# Altium PCB BW2098POE.PcbDoc (part 4 of 4)
Units mm, origin at the board's own origin, x right, y up, seen from the top; angles counter-clockwise.
Board outline 80 x 60 mm, 4 copper layers (Top Layer, Layer 2, Layer 3, Bottom Layer), stack 1.578 mm thick; 233 components, 209 nets, 925 pads, 561 vias.
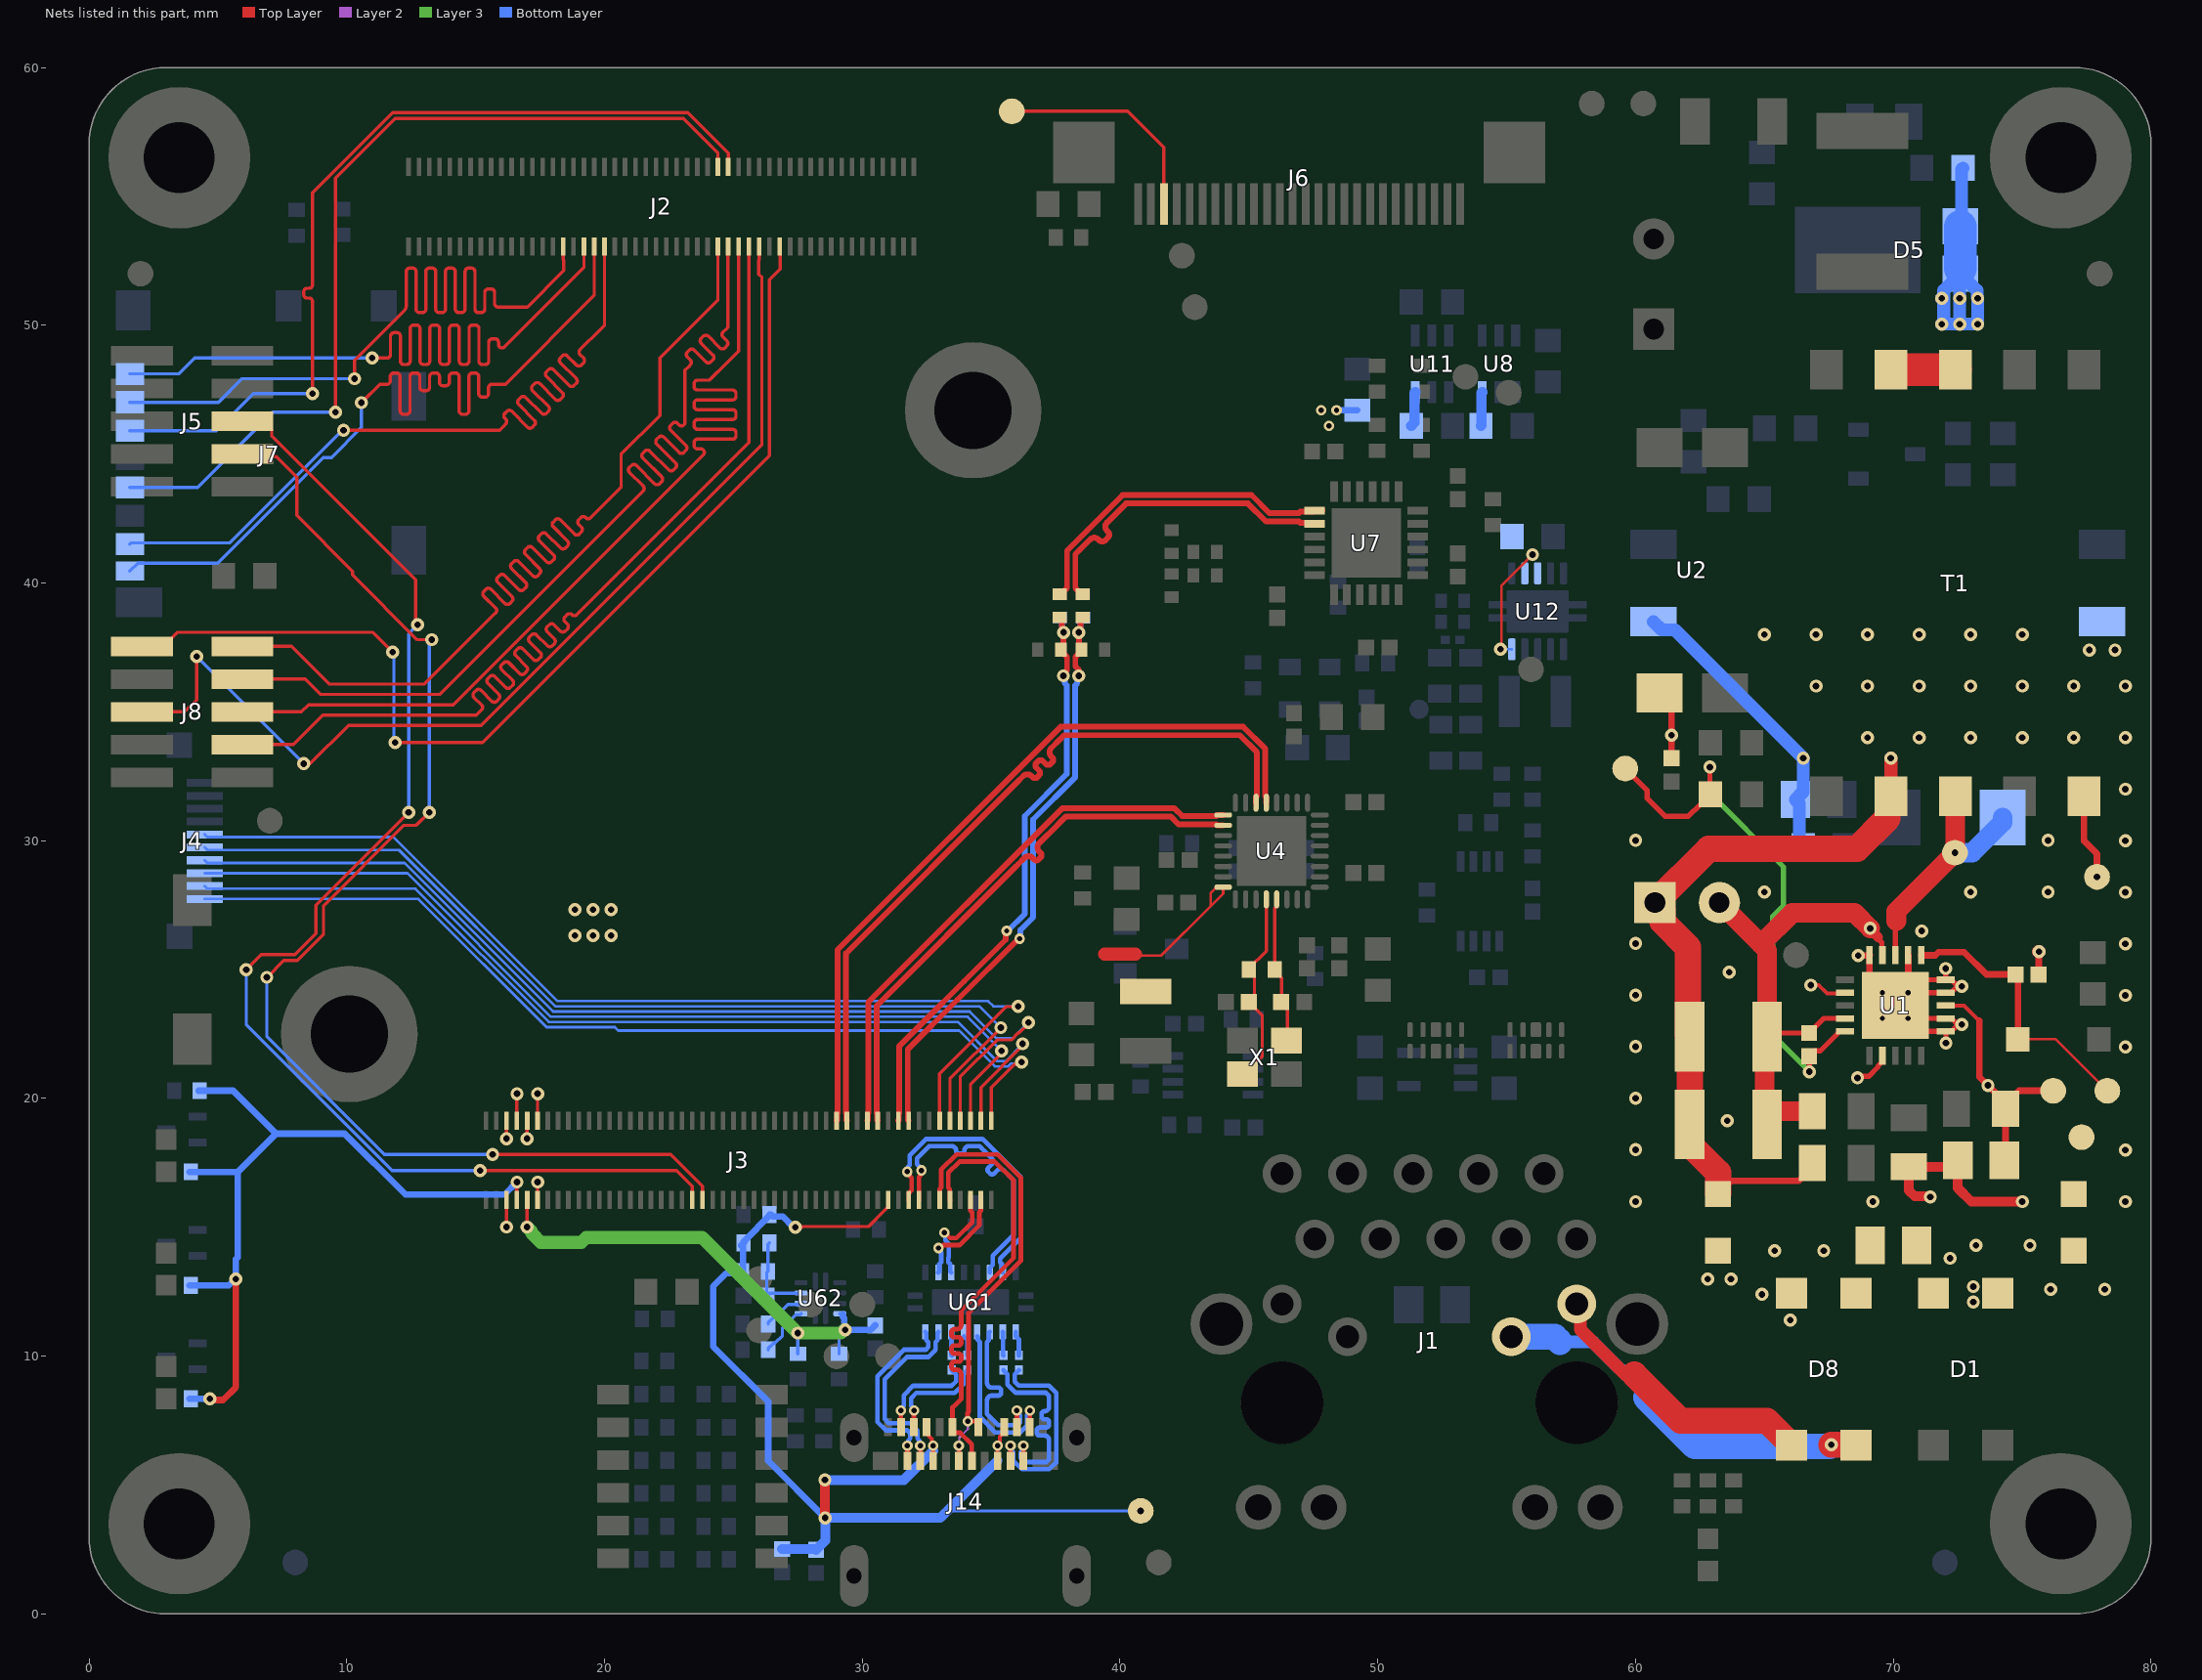
[diagram p6: the nets of this part, all layers, seen from the top]

## Via types
v1: diameter 0.508, hole 0.254, Top Layer to Bottom Layer, tented both sides, 416 vias
v2: diameter 0.406, hole 0.203, Top Layer to Bottom Layer, tented both sides, 145 vias

## Nets (pads, with @x,y where several pads share a name; then routed paths per layer and width w, separated by ;. In a path a pad name is that pad's centre, name@x,y a point inside that pad or via, vN(x,y) a via of type N, cw(c..) or ccw(c..) an arc to the next point about the centre after c; other vN are vias at no path point) (continued)
REGOUT: L2.1 U4.24 | length 7
  Top Layer w0.102: 40.605,25.6 40.657,25.548 41.602,25.548 43.512,27.457 ; 43.512,27.457 43.512,27.962 43.734,28.184 43.787,28.184 43.803,28.2 U4.24@44,28.2 44,27.945 43.512,27.457
  Top Layer w0.508: 39.4,25.6 40.605,25.6
RXB_N: J14.B10 U61.18 | length 7.4
  Top Layer w0.178: J14.B10@32.25,5.95 v2(32.25,6.535)
  Bottom Layer w0.178: v2(32.25,6.535) 32.206,6.578 32.206,6.743 32.14,6.809 32.14,7.12 31.852,7.408 31.028,7.408 30.87,7.566 30.87,9.108 31.735,9.974 32.572,9.974 32.84,10.242 32.84,10.552 32.914,10.627 32.914,10.914 U61.18@32.95,10.95
RXB_P: J14.B11 U61.19 | length 7.4
  Top Layer w0.178: J14.B11@31.75,5.95 v2(31.75,6.535)
  Bottom Layer w0.178: v2(31.75,6.535) 31.794,6.578 31.794,6.743 31.86,6.809 31.86,7.004 31.736,7.128 30.912,7.128 30.59,7.45 30.59,9.224 31.62,10.254 32.456,10.254 32.56,10.358 32.56,10.552 32.486,10.627 32.486,10.914 U61.19@32.45,10.95
RXC_N: J14.A10 U61.14 | length 6.7
  Top Layer w0.178: v2(35.996,7.9) v2(35.996,7.9) 35.998,7.252 J14.A10@36,7.25
  Bottom Layer w0.178: U61.14@34.95,10.95 34.914,10.914 34.914,10.627 34.84,10.552 34.84,9.766 34.84,8.964 ccw(c35.017,8.964) 35.017,8.786 35.273,8.786 cw(c35.273,8.676) 35.383,8.676 35.383,8.582 cw(c35.273,8.582) 35.273,8.472 35.017,8.472 ccw(c35.017,8.294) 34.84,8.294 34.84,7.891 34.84,7.761 35.274,7.326 36.006,7.326 36.11,7.43 36.11,7.724 35.996,7.838 v2(35.996,7.9)
RXC_P: J14.A11 U61.15 | length 6.6
  Top Layer w0.178: J14.A11@36.5,7.25 36.502,7.252 36.502,7.898 v2(36.504,7.9)
  Bottom Layer w0.178: U61.15@34.45,10.775 34.486,10.739 34.486,10.627 34.56,10.552 34.56,7.645 35.158,7.047 36.122,7.047 36.39,7.315 36.39,7.724 36.504,7.838 v2(36.504,7.9)
sd_hst0_clk: J2.61 J7.5 | length 35.1
  Top Layer w0.127: v1(9.557,46.624) 9.557,55.705 11.868,58.015 23.055,58.015 24.4,56.67 J2.61@24.4,56.14
  Bottom Layer w0.127: J7.5@1.588,43.712 4.215,43.712 7.127,46.624 v1(9.557,46.624)
sd_hst0_cmd: J2.63 J7.3 | length 34.5
  Top Layer w0.127: v1(8.675,47.344) 8.675,50.856 8.675,50.92 ccw(c8.542,50.92) 8.542,51.053 8.465,51.053 cw(c8.465,51.186) 8.332,51.186 8.332,51.301 cw(c8.465,51.301) 8.465,51.434 8.542,51.434 ccw(c8.542,51.567) 8.675,51.567 8.675,51.98 8.675,53.117 8.675,53.18 8.675,55.146 11.773,58.243 23.226,58.243 24.8,56.67 J2.63@24.8,56.14
  Bottom Layer w0.127: J7.3@1.588,45.912 4.939,45.912 6.37,47.344 v1(8.675,47.344)
sd_hst0_dat_0: J2.40 J7.7 | length 34.4
  Top Layer w0.127: v1(9.877,45.93) 15.93,45.93 16.122,46.122 16.167,46.167 ccw(c16.073,46.261) 16.167,46.355 16.131,46.391 cw(c16.226,46.485) 16.131,46.579 16.212,46.66 cw(c16.307,46.566) 16.401,46.66 17.017,46.044 ccw(c17.111,46.138) 17.206,46.044 17.286,46.125 ccw(c17.192,46.219) 17.286,46.314 16.67,46.93 cw(c16.765,47.024) 16.67,47.118 16.751,47.199 cw(c16.845,47.105) 16.94,47.199 17.556,46.583 ccw(c17.65,46.677) 17.744,46.583 17.825,46.664 ccw(c17.731,46.758) 17.825,46.852 17.209,47.469 cw(c17.303,47.563) 17.209,47.657 17.29,47.738 cw(c17.384,47.644) 17.478,47.738 18.095,47.122 ccw(c18.189,47.216) 18.283,47.122 18.364,47.203 ccw(c18.27,47.297) 18.364,47.391 17.748,48.007 cw(c17.842,48.102) 17.748,48.196 17.829,48.277 cw(c17.923,48.182) 18.017,48.277 18.633,47.661 ccw(c18.728,47.755) 18.822,47.661 18.903,47.741 ccw(c18.809,47.836) 18.903,47.93 18.287,48.546 cw(c18.381,48.64) 18.287,48.735 18.367,48.816 cw(c18.462,48.721) 18.556,48.816 18.916,48.456 ccw(c19.01,48.55) 19.104,48.456 19.185,48.537 ccw(c19.091,48.631) 19.185,48.726 19.05,48.861 cw(c19.144,48.955) 19.05,49.05 19.856,49.856 20,50 J2.40@20,53.06
  Bottom Layer w0.127: J7.7@1.588,41.512 1.629,41.554 5.455,41.554 9.832,45.93 v1(9.877,45.93)
sd_hst0_dat_1: J2.38 J7.8 | length 34.3
  Top Layer w0.127: v1(10.572,46.996) 11.285,47.709 11.494,47.709 11.557,47.709 ccw(c11.557,47.842) 11.691,47.842 11.691,48.012 cw(c11.824,48.012) 11.824,48.145 11.938,48.145 cw(c11.938,48.012) 12.072,48.012 12.072,46.677 ccw(c12.205,46.677) 12.205,46.544 12.319,46.544 ccw(c12.319,46.677) 12.453,46.677 12.453,48.012 cw(c12.586,48.012) 12.586,48.145 12.7,48.145 cw(c12.7,48.012) 12.834,48.012 12.834,47.596 ccw(c12.967,47.596) 12.967,47.462 13.081,47.462 ccw(c13.081,47.596) 13.215,47.596 13.215,48.012 cw(c13.348,48.012) 13.348,48.145 13.462,48.145 cw(c13.462,48.012) 13.596,48.012 13.596,47.785 ccw(c13.729,47.785) 13.729,47.652 13.843,47.652 ccw(c13.843,47.785) 13.977,47.785 13.977,48.012 cw(c14.11,48.012) 14.11,48.145 14.224,48.145 cw(c14.224,48.012) 14.358,48.012 14.358,46.677 ccw(c14.491,46.677) 14.491,46.544 14.605,46.544 ccw(c14.605,46.677) 14.739,46.677 14.739,48.012 cw(c14.872,48.012) 14.872,48.145 14.986,48.145 cw(c14.986,48.012) 15.12,48.012 15.12,47.347 ccw(c15.253,47.347) 15.253,47.214 15.367,47.214 ccw(c15.367,47.347) 15.501,47.347 15.501,47.576 cw(c15.634,47.576) 15.634,47.709 15.971,47.709 16.157,47.709 19.6,51.152 J2.38@19.6,53.06
  Bottom Layer w0.127: J7.8@1.588,40.463 1.899,40.774 4.999,40.774 9.09,44.865 9.405,44.865 10.572,46.032 v1(10.572,46.996)
sd_hst0_dat_2: J2.36 J7.1 | length 34.4
  Top Layer w0.127: v1(10.986,48.731) 11.501,48.731 11.564,48.731 ccw(c11.564,48.864) 11.697,48.864 11.697,49.578 cw(c11.831,49.578) 11.831,49.712 11.945,49.712 cw(c11.945,49.578) 12.078,49.578 12.078,48.61 ccw(c12.212,48.61) 12.212,48.477 12.326,48.477 ccw(c12.326,48.61) 12.459,48.61 12.459,49.872 cw(c12.593,49.872) 12.593,50.006 12.707,50.006 cw(c12.707,49.872) 12.84,49.872 12.84,48.61 ccw(c12.974,48.61) 12.974,48.477 13.088,48.477 ccw(c13.088,48.61) 13.221,48.61 13.221,49.872 cw(c13.355,49.872) 13.355,50.006 13.469,50.006 cw(c13.469,49.872) 13.602,49.872 13.602,48.61 ccw(c13.736,48.61) 13.736,48.477 13.85,48.477 ccw(c13.85,48.61) 13.983,48.61 13.983,49.872 cw(c14.117,49.872) 14.117,50.006 14.231,50.006 cw(c14.231,49.872) 14.364,49.872 14.364,48.61 ccw(c14.498,48.61) 14.498,48.477 14.612,48.477 ccw(c14.612,48.61) 14.745,48.61 14.745,49.872 cw(c14.879,49.872) 14.879,50.006 14.993,50.006 cw(c14.993,49.872) 15.126,49.872 15.126,48.61 ccw(c15.26,48.61) 15.26,48.477 15.374,48.477 ccw(c15.374,48.61) 15.507,48.61 15.507,49.34 cw(c15.641,49.34) 15.641,49.474 15.755,49.474 cw(c15.755,49.34) 15.888,49.34 15.888,49.253 ccw(c16.022,49.253) 16.116,49.159 16.222,49.265 16.348,49.391 16.412,49.455 19.2,52.243 J2.36@19.2,53.06
  Bottom Layer w0.127: J7.1@1.588,48.112 3.481,48.113 4.099,48.731 v1(10.986,48.731)
sd_hst0_dat_3: J2.32 J7.2 | length 34.4
  Top Layer w0.127: v1(10.302,47.926) 10.302,48.639 12.176,50.514 12.24,50.577 ccw(c12.079,50.738) 12.307,50.738 12.307,52.081 cw(c12.44,52.081) 12.44,52.215 12.554,52.215 cw(c12.554,52.081) 12.688,52.081 12.688,50.625 ccw(c12.821,50.625) 12.821,50.492 12.935,50.492 ccw(c12.935,50.625) 13.069,50.625 13.069,52.081 cw(c13.202,52.081) 13.202,52.215 13.316,52.215 cw(c13.316,52.081) 13.45,52.081 13.45,50.625 ccw(c13.583,50.625) 13.583,50.492 13.697,50.492 ccw(c13.697,50.625) 13.831,50.625 13.831,52.081 cw(c13.964,52.081) 13.964,52.215 14.078,52.215 cw(c14.078,52.081) 14.212,52.081 14.212,50.625 ccw(c14.345,50.625) 14.345,50.492 14.459,50.492 ccw(c14.459,50.625) 14.593,50.625 14.593,52.081 cw(c14.726,52.081) 14.726,52.215 14.84,52.215 cw(c14.84,52.081) 14.974,52.081 14.974,50.625 ccw(c15.107,50.625) 15.107,50.492 15.221,50.492 ccw(c15.221,50.625) 15.355,50.625 15.355,51.273 cw(c15.488,51.273) 15.488,51.406 15.602,51.406 cw(c15.602,51.273) 15.736,51.273 15.736,50.839 ccw(c15.869,50.839) 15.869,50.705 16.385,50.705 17.005,50.705 18.419,52.119 18.419,52.524 18.4,52.543 J2.32@18.4,53.06
  Bottom Layer w0.127: J7.2@1.588,47.013 5.022,47.013 5.936,47.926 v1(10.302,47.926)
SDS_IO_CLKI1_N: R36.2 U7.13 | length 13
  Top Layer w0.223: R36.2@37.654,39.567 37.704,39.567 37.942,39.804 37.942,41.254 40.1,43.413 40.285,43.413 45.097,43.413 45.797,42.713 46.938,42.713 46.988,42.762 47.512,42.762 U7.13@47.55,42.8 47.581,42.831 U7.13@47.844,42.831
SDS_IO_CLKI1_P: R34.2 U7.14 | length 13.3
  Top Layer w0.223: 38.267,40.504 38.267,41.091 ; R34.2@38.554,39.567 38.504,39.567 38.267,39.804 38.267,41.119 38.424,41.276 38.84,41.693 cw(c38.998,41.535) 39.156,41.693 39.192,41.658 ccw(c39.31,41.776) 39.428,41.658 39.529,41.759 ccw(c39.411,41.877) 39.529,41.995 39.494,42.031 cw(c39.652,42.189) 39.494,42.347 40.235,43.087 40.413,43.087 40.42,43.087 44.963,43.087 45.663,42.387 46.938,42.387 46.988,42.338 47.512,42.338 U7.14@47.55,42.3
SDS_IO_CLKI_N: J3.81 R36.1 R41.2 R72.1 | length 23.1
  Top Layer w0.223: J3.81@31.4,19.14 31.422,19.162 31.422,19.422 31.437,19.437 31.437,22.036 32.351,22.949 33.951,24.549 35.565,26.163 35.565,26.465 v2(35.6,26.5) ; R36.1@37.654,38.667 37.751,38.57 37.751,38.137 v1(37.806,38.083) 37.806,37.518 R41.2@37.704,37.417 37.704,37.367 37.942,37.129 37.942,36.619 37.799,36.476 v1@37.799,36.399
  Bottom Layer w0.223: v2(35.6,26.5) 35.638,26.5 36.3,27.162 36.3,27.594 36.3,30.725 36.3,30.96 37.936,32.596 37.936,36.028 37.854,36.109 37.854,36.346 v1(37.8,36.4) ; R72.1@37.751,38.57 37.751,38.137 v1(37.806,38.083)
SDS_IO_CLKI_P: J3.83 R34.1 R40.1 R71.1 | length 23.1
  Top Layer w0.223: J3.83@31.8,19.14 31.778,19.162 31.778,19.422 31.763,19.437 31.763,21.901 33.688,23.827 36.061,26.2 v2(36.1,26.2) ; v1@38.386,36.473 38.386,36.648 38.267,36.766 38.267,37.129 38.504,37.367 R40.1@38.504,37.417 38.403,37.518 v1(38.403,38.083) 38.457,38.137 38.457,38.57 R34.1@38.554,38.667
  Bottom Layer w0.223: v2(36.1,26.2) 36.135,26.235 36.135,26.537 36.625,27.027 36.625,30.825 38.261,32.461 38.261,36.028 38.342,36.109 38.342,36.346 v1(38.397,36.4) ; v1(38.403,38.083) 38.457,38.137 38.457,38.551 R71.1@38.562,38.656
SDS_RXD_N: J3.77 U4.18 | length 21.7
  Top Layer w0.223: J3.77@30.6,19.14 30.578,19.162 30.578,19.422 30.563,19.437 30.563,23.604 35.958,28.999 36.037,29.078 36.292,29.333 cw(c36.45,29.175) 36.608,29.333 36.665,29.276 ccw(c36.754,29.365) 36.844,29.276 36.92,29.352 ccw(c36.831,29.441) 36.92,29.53 36.863,29.588 cw(c37.021,29.746) 36.863,29.904 37.577,30.618 37.656,30.697 37.89,30.931 41.977,30.931 42.271,30.637 43.736,30.637 43.774,30.6 U4.18@44,30.6
SDS_RXD_P: J3.75 U4.17 | length 21.6
  Top Layer w0.223: J3.75@30.2,19.14 30.222,19.162 30.222,19.422 30.237,19.437 30.237,23.738 37.756,31.257 42.111,31.257 42.405,30.963 43.736,30.963 43.774,31 U4.17@44,31
SDS_TXD_N: J3.71 U4.14 | length 29.3
  Top Layer w0.223: J3.71@29.4,19.14 29.378,19.162 29.378,19.422 29.363,19.437 29.363,25.626 35.914,32.177 35.993,32.256 36.247,32.511 cw(c36.405,32.352) 36.563,32.511 36.608,32.466 ccw(c36.697,32.555) 36.786,32.466 36.863,32.542 ccw(c36.774,32.632) 36.863,32.721 36.749,32.834 cw(c36.838,32.923) 36.749,33.012 36.826,33.089 cw(c36.915,33) 37.004,33.089 37.117,32.975 ccw(c37.207,33.065) 37.296,32.975 37.372,33.052 ccw(c37.283,33.141) 37.372,33.23 37.328,33.275 cw(c37.486,33.433) 37.328,33.591 37.684,33.947 37.763,34.026 37.833,34.096 44.645,34.096 45.312,33.428 45.312,31.739 45.275,31.701 U4.14@45.275,31.475
SDS_TXD_P: J3.69 U4.13 | length 29.3
  Top Layer w0.223: J3.69@29,19.14 29.022,19.162 29.022,19.422 29.037,19.437 29.037,25.76 37.698,34.421 44.78,34.421 45.638,33.563 45.638,31.739 45.675,31.701 U4.13@45.675,31.475
SP1: D8.2 J1.13 | length 15.3
  Top Layer w1: v1(67.59,6.564) 68.536,6.564 D8.2@68.55,6.55
  Layer 3 w0.254: J1.13@55.175,10.76 J1.13@55.388,10.547
  Bottom Layer w0.5: 57.064,10.554 58.346,10.554 60.4,8.5
  Bottom Layer w1: J1.13@55.175,10.76 56.858,10.76 57.064,10.554 ; 60.4,8.4 62.3,6.5 v1@67.526,6.5
SP2: D8.3 J1.14 | length 11.2
  Top Layer w0.5: J1.14@57.715,12.03 57.856,11.889 57.856,11.035 59.594,9.296 59.948,9.296
  Top Layer w1: 59.948,9.296 61.744,7.5 65.1,7.5 D8.3@66.05,6.55
  Bottom Layer w0.508: J1.14@57.715,12.03 J1.14@57.784,12.03
SPI_SCK: J2.74 J8.1 | length 41.3
  Top Layer w0.127: J8.1@2.05,37.54 2.87,37.54 3.415,38.085 11.013,38.085 v1(11.778,37.32) ; v1(11.877,33.807) 15.263,33.807 26.404,44.947 26.404,51.761 26.819,52.176 26.819,52.524 26.817,52.526 26.817,53.043 J2.74@26.8,53.06
  Bottom Layer w0.127: v1(11.778,37.32) 11.828,37.271 11.828,33.856 v1(11.877,33.807)
SPI_SIO0: J2.62 J8.2 | length 40.9
  Top Layer w0.127: J8.2@5.95,37.54 7.852,37.54 9.315,36.077 13.012,36.077 15.73,38.795 15.775,38.84 ccw(c15.681,38.934) 15.775,39.028 15.316,39.487 cw(c15.411,39.582) 15.316,39.676 15.397,39.757 cw(c15.491,39.662) 15.586,39.757 16.139,39.204 ccw(c16.233,39.298) 16.327,39.204 16.408,39.284 ccw(c16.314,39.379) 16.408,39.473 15.855,40.026 cw(c15.949,40.12) 15.855,40.215 15.936,40.295 cw(c16.03,40.201) 16.125,40.295 16.678,39.742 ccw(c16.772,39.837) 16.866,39.742 16.947,39.823 ccw(c16.853,39.918) 16.947,40.012 16.394,40.565 cw(c16.488,40.659) 16.394,40.753 16.475,40.834 cw(c16.569,40.74) 16.663,40.834 17.216,40.281 ccw(c17.311,40.376) 17.405,40.281 17.486,40.362 ccw(c17.392,40.456) 17.486,40.551 16.933,41.104 cw(c17.027,41.198) 16.933,41.292 17.014,41.373 cw(c17.108,41.279) 17.202,41.373 17.755,40.82 ccw(c17.85,40.914) 17.944,40.82 18.025,40.901 ccw(c17.93,40.995) 18.025,41.089 17.472,41.643 cw(c17.566,41.737) 17.472,41.831 17.552,41.912 cw(c17.647,41.818) 17.741,41.912 18.294,41.359 ccw(c18.388,41.453) 18.483,41.359 18.564,41.44 ccw(c18.469,41.534) 18.564,41.628 18.01,42.181 cw(c18.105,42.276) 18.01,42.37 18.091,42.451 cw(c18.186,42.356) 18.28,42.451 18.833,41.898 ccw(c18.927,41.992) 19.021,41.898 19.102,41.978 ccw(c19.008,42.073) 19.102,42.167 19,42.269 cw(c19.094,42.364) 19,42.458 19.081,42.539 cw(c19.175,42.445) 19.269,42.539 19.277,42.531 ccw(c19.372,42.625) 19.466,42.531 20.521,43.585 20.641,43.706 20.641,44.991 22.147,46.497 22.147,48.726 24.4,50.979 J2.62@24.4,53.06
SPI_SIO1: J2.64 J8.4 | length 40.5
  Top Layer w0.127: J8.4@5.95,36.27 8.392,36.27 8.985,35.677 13.606,35.677 20.612,42.684 21.454,43.526 21.499,43.571 ccw(c21.405,43.665) 21.499,43.759 20.964,44.294 cw(c21.059,44.388) 20.964,44.483 21.045,44.563 cw(c21.139,44.469) 21.234,44.563 21.948,43.849 ccw(c22.042,43.943) 22.137,43.849 22.218,43.93 ccw(c22.123,44.024) 22.218,44.118 21.487,44.849 cw(c21.582,44.943) 21.487,45.037 21.568,45.118 cw(c21.662,45.024) 21.757,45.118 22.487,44.388 ccw(c22.581,44.482) 22.675,44.388 22.756,44.469 ccw(c22.662,44.563) 22.756,44.657 22.026,45.387 cw(c22.12,45.482) 22.026,45.576 22.107,45.657 cw(c22.201,45.563) 22.295,45.657 22.889,45.064 ccw(c22.983,45.158) 23.077,45.064 23.158,45.144 ccw(c23.064,45.239) 23.158,45.333 22.565,45.926 cw(c22.659,46.021) 22.565,46.115 22.646,46.196 cw(c22.74,46.101) 22.834,46.196 22.895,46.135 ccw(c22.989,46.229) 23.123,46.229 23.123,46.476 23.123,48.257 23.283,48.417 23.328,48.462 ccw(c23.233,48.556) 23.328,48.651 23.211,48.767 cw(c23.306,48.861) 23.211,48.956 23.292,49.036 cw(c23.387,48.942) 23.481,49.036 23.937,48.581 ccw(c24.031,48.675) 24.125,48.581 24.206,48.661 ccw(c24.112,48.756) 24.206,48.85 23.75,49.306 cw(c23.845,49.4) 23.75,49.494 23.831,49.575 cw(c23.925,49.481) 24.02,49.575 24.476,49.119 ccw(c24.57,49.214) 24.664,49.119 24.745,49.2 ccw(c24.651,49.294) 24.745,49.389 24.594,49.54 cw(c24.688,49.634) 24.594,49.728 24.76,49.895 24.787,49.922 24.787,53.047 J2.64@24.8,53.06
SPI_SIO2: J2.66 J8.6 | length 40.4
  Top Layer w0.127: J8.6@5.95,35 8.242,35 8.519,35.277 14.138,35.277 23.731,44.87 23.834,44.973 ccw(c23.739,45.067) 23.739,45.201 23.611,45.201 cw(c23.611,45.334) 23.478,45.334 23.478,45.448 cw(c23.611,45.448) 23.611,45.582 24.967,45.582 ccw(c24.967,45.715) 25.1,45.715 25.1,45.829 ccw(c24.967,45.829) 24.967,45.963 23.611,45.963 cw(c23.611,46.096) 23.478,46.096 23.478,46.21 cw(c23.611,46.21) 23.611,46.344 24.967,46.344 ccw(c24.967,46.477) 25.1,46.477 25.1,46.591 ccw(c24.967,46.591) 24.967,46.725 23.611,46.725 cw(c23.611,46.858) 23.478,46.858 23.478,46.972 cw(c23.611,46.972) 23.611,47.106 24.967,47.106 ccw(c24.967,47.239) 25.1,47.239 25.1,47.353 ccw(c24.967,47.353) 24.967,47.487 23.611,47.487 cw(c23.611,47.62) 23.478,47.62 23.478,47.734 cw(c23.611,47.734) 23.611,47.868 24.017,47.868 ccw(c24.017,48.001) 24.112,47.907 24.72,48.515 25.2,48.995 J2.66@25.2,53.06
SPI_SIO3: J2.68 J8.8 | length 40.9
  Top Layer w0.127: J8.8@5.95,33.73 7.927,33.73 9.074,34.877 15.03,34.877 15.187,35.034 15.232,35.079 ccw(c15.138,35.174) 15.232,35.268 14.936,35.564 cw(c15.031,35.658) 14.936,35.752 15.017,35.833 cw(c15.111,35.739) 15.206,35.833 15.628,35.411 ccw(c15.722,35.505) 15.816,35.411 15.897,35.492 ccw(c15.803,35.586) 15.897,35.68 15.475,36.103 cw(c15.569,36.197) 15.475,36.291 15.556,36.372 cw(c15.65,36.278) 15.744,36.372 16.167,35.95 ccw(c16.261,36.044) 16.355,35.95 16.436,36.031 ccw(c16.342,36.125) 16.436,36.219 16.014,36.641 cw(c16.108,36.736) 16.014,36.83 16.095,36.911 cw(c16.189,36.817) 16.283,36.911 16.705,36.489 ccw(c16.8,36.583) 16.894,36.489 16.975,36.57 ccw(c16.88,36.664) 16.975,36.758 16.553,37.18 cw(c16.647,37.275) 16.553,37.369 16.633,37.45 cw(c16.728,37.355) 16.822,37.45 17.244,37.027 ccw(c17.338,37.122) 17.433,37.027 17.514,37.108 ccw(c17.419,37.203) 17.514,37.297 17.091,37.719 cw(c17.186,37.813) 17.091,37.908 17.172,37.988 cw(c17.267,37.894) 17.361,37.988 17.783,37.566 ccw(c17.877,37.661) 17.972,37.566 18.052,37.647 ccw(c17.958,37.741) 18.052,37.836 17.777,38.112 cw(c17.871,38.206) 17.777,38.3 17.857,38.381 cw(c17.952,38.287) 18.046,38.381 18.29,38.137 ccw(c18.384,38.231) 18.479,38.137 18.559,38.218 ccw(c18.465,38.312) 18.559,38.406 18.465,38.501 cw(c18.559,38.595) 18.465,38.689 18.546,38.77 cw(c18.64,38.676) 18.734,38.77 ccw(c18.829,38.864) 18.923,38.77 19.245,39.092 25.6,45.447 J2.68@25.6,53.06
SPI_SS_0: J2.70 J8.5 | length 40.5
  Top Layer w0.127: J8.5@2.05,35 3.71,35 4.175,35.465 v1(4.175,37.145) ; v1(8.33,32.988) 8.577,32.988 10.065,34.477 15.206,34.477 26.104,45.376 26.104,51.853 25.981,51.977 25.981,52.524 26,52.543 J2.70@26,53.06
  Bottom Layer w0.127: v1(4.175,37.145) v1(8.33,32.988)
STROBE3: J6.24 TP3.1 | length 8.7
  Top Layer w0.127: TP3.1@35.8,58.3 40.3,58.3 41.7,56.9 J6.24@41.7,54.7
  Top Layer w0.13: TP3.1@35.7,58.6 TP3.1@35.716,58.584
SWO: D4.2 T1.3 TP7.1 U1.18 | length 9.6
  Top Layer w0.203: U1.18@70.076,25.557 70.076,26.878
  Top Layer w0.762: 70.116,26.878 70.116,27.263 v1(72.389,29.536) ; TP7.1@72.4,29.547 T1.3@72.4,31.725
  Bottom Layer w0.762: v1(72.389,29.536) 73.058,29.536 74.232,30.71 D4.2@74.232,30.9
SYS_RST: J3.89 J4.6 | length 40.3
  Top Layer w0.127: J3.89@33,19.14 33,20.965 35.601,23.566 36.034,23.566 v1(36.046,23.578)
  Bottom Layer w0.102: J4.6@4.494,30.241 4.596,30.14 11.814,30.14 18.173,23.781 34.887,23.781 35.091,23.578 v1(36.046,23.578)
TCK: J3.97 J4.2 | length 38.5
  Top Layer w0.127: J3.97@34.6,19.14 34.6,20.432 36.217,22.048 v1(36.217,22.122)
  Bottom Layer w0.102: J4.2@4.494,28.241 4.596,28.14 12.665,28.14 17.836,22.968 33.711,22.968 35.232,21.447 35.569,21.447 36.217,22.095 v1(36.217,22.122)
TDI: J3.95 J4.3 | length 37
  Top Layer w0.127: J3.95@34.2,19.14 34.2,20.559 35.4,21.759 v1(35.4,21.854)
  Bottom Layer w0.102: J4.3@4.494,28.742 12.35,28.742 17.921,23.171 34.083,23.171 v1(35.4,21.854)
TDO: J3.91 J4.5 | length 38.2
  Top Layer w0.127: J3.91@33.4,19.14 33.4,20.772 v1(35.375,22.748)
  Bottom Layer w0.102: J4.5@4.494,29.742 4.596,29.64 12.027,29.64 18.089,23.578 34.545,23.578 v1(35.375,22.748)
TMS: J3.99 J4.1 | length 37.3
  Top Layer w0.127: J3.99@35,19.14 35,20.424 35.919,21.343 36.104,21.343 v1(36.176,21.416)
  Bottom Layer w0.102: J4.1@4.494,27.742 12.776,27.742 17.752,22.765 20.406,22.765 20.536,22.635 33.757,22.635 35.148,21.244 35.653,21.244 35.77,21.361 36.122,21.361 v1(36.176,21.416)
TRST: J3.93 J4.4 | length 40.3
  Top Layer w0.127: J3.93@33.8,19.14 33.8,20.849 35.224,22.273 35.775,22.273 36.043,22.541 36.085,22.541 36.442,22.898 v1(36.442,22.945)
  Bottom Layer w0.102: J4.4@4.494,29.241 4.596,29.14 12.24,29.14 18.005,23.375 34.167,23.375 35.212,22.329 35.826,22.329 v1(36.442,22.945)
TXB1_N: C209.2 U61.16 | length 0.8
  Bottom Layer w0.178: U61.16@33.95,10.775 34.075,10.65 C209.2@34.075,10.03
TXB1_P: C208.2 U61.17 | length 0.9
  Bottom Layer w0.178: U61.17@33.45,10.95 33.463,10.938 33.463,10.043 C208.2@33.475,10.03
TXB_N: C209.1 J14.A3 | length 4
  Top Layer w0.178: J14.A3@32,7.25 32.002,7.252 32.002,7.898 v2(32.004,7.9)